# Altium PCB UmTRXv21.PcbDoc (part 4 of 19)
Units mm, origin at the board's own origin, x right, y up, seen from the top; angles counter-clockwise.
Board outline 159.5 x 99.5 mm, 6 copper layers (Top Layer, GND, MidLayer1, Mid-Layer 2, InternalPlane2, Bottom Layer), stack 1.526 mm thick; 716 components, 578 nets, 2850 pads, 1402 vias.
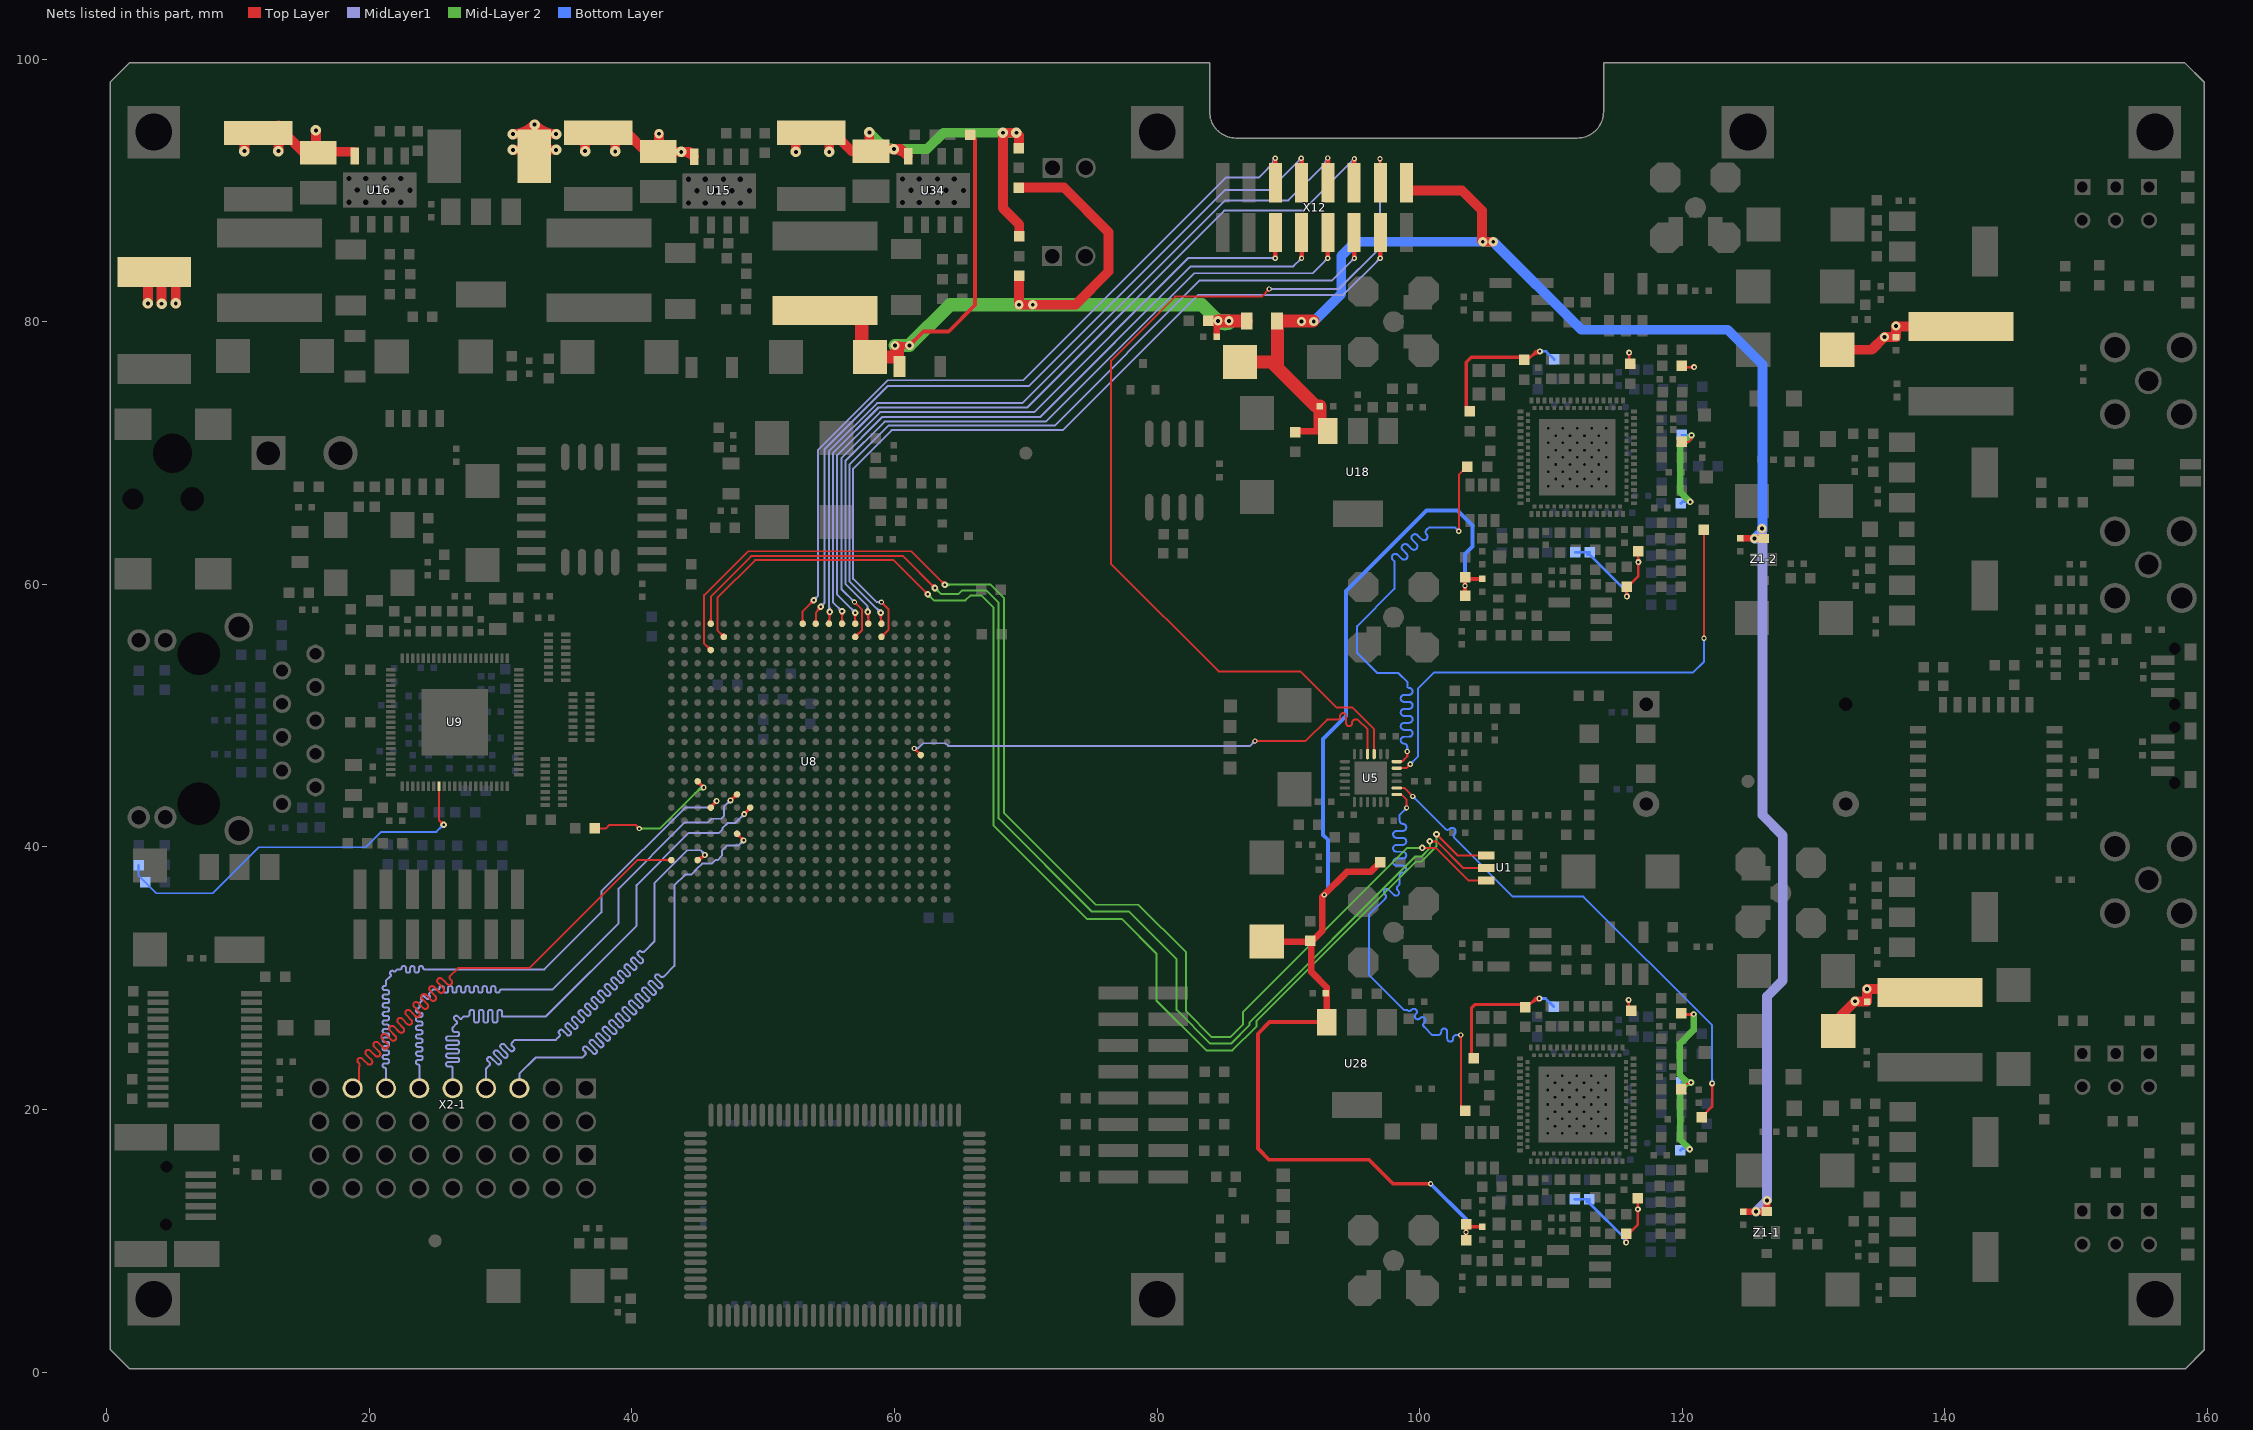
[diagram p8: the nets of this part, all layers, seen from the top]

## Via types
v1: diameter 0.45, hole 0.2, Top Layer to Bottom Layer, tented both sides, 440 vias
v2: diameter 0.5, hole 0.2, Top Layer to Bottom Layer, tented both sides, 423 vias
v3: diameter 0.7, hole 0.3, Top Layer to Bottom Layer, tented both sides, 257 vias
v4: diameter 0.4, hole 0.2, Top Layer to Bottom Layer, tented both sides, 197 vias
v5: diameter 0.8, hole 0.3, Top Layer to Bottom Layer, tented both sides, 63 vias
v6: diameter 0.6, hole 0.25, Top Layer to Bottom Layer, tented both sides, 16 vias
v7: diameter 0.6, hole 0.3, Top Layer to Bottom Layer, tented both sides, 4 vias
v8: diameter 1, hole 0.5, Top Layer to Bottom Layer, tented both sides, 2 vias

## Nets (pads, with @x,y where several pads share a name; then routed paths per layer and width w, separated by ;. In a path a pad name is that pad's centre, name@x,y a point inside that pad or via, vN(x,y) a via of type N, cw(c..) or ccw(c..) an arc to the next point about the centre after c; other vN are vias at no path point) (continued)
+3,3VLMS-1: C64-1.1 C69-1.1 L7-1.2 L12-1.1 L17-1.1 L21-1.2 L22-1.1 L23-1.2 L24-1.1 L25-1.2 L26-1.1 L27-1.2 L28-1.1 L29-1.2 R95-1.2 | length 56.1
  Top Layer w0.15: L26-1.1@119.907,21.588 119.937,21.558 120.337,21.958 ; v1@120.516,22.096 cw(c120.337,22.143) 120.337,21.958 ; v1@120.661,21.958 120.337,21.958
  Top Layer w0.2: L21-1.2@108.161,27.808 108.811,28.458 ; L21-1.2@108.386,28.033 cw(c109.111,27.307) v1@109.111,28.333 ; 108.727,28.374 cw(c109.111,27.99) v1@109.111,28.533 ; v1@109.022,28.37 ccw(c108.811,28.161) 108.811,28.458 ; v1@109.022,28.546 cw(c108.811,28.756) 108.811,28.458 ; v1(109.111,28.458) 108.811,28.458 ; L29-1.2@115.607,10.538 L29-1.2@115.737,10.538 ; v1@115.637,9.963 ccw(c115.395,10.205) L29-1.2@115.737,10.205 ; v1(115.725,9.875) 115.737,9.887 L29-1.2@115.737,10.538 ; L29-1.2@115.737,10.148 ccw(c115.998,10.148) v1@115.813,9.963 ; L29-1.2@115.737,10.542 L29-1.2@115.737,10.538 ; v1@115.823,28.27 cw(c115.619,28.066) 115.907,28.066 ; L25-1.2@115.907,27.488 115.907,28.354 v1(115.911,28.358) ; 115.907,28.047 cw(c116.223,28.047) v1@115.999,28.27 ; v1@116.523,12.32 cw(c116.319,12.116) 116.607,12.116 ; v1@116.523,12.497 ccw(c116.319,12.7) 116.607,12.7 ; 116.607,12.097 cw(c116.923,12.097) v1@116.699,12.32 ; 116.607,12.72 ccw(c116.923,12.72) v1@116.699,12.497 ; L22-1.1@116.607,13.238 v1@116.607,12.412 ; v1(116.611,12.408) v1@116.607,12.412 ; L28-1.1@119.907,27.238 120.841,27.238 v1(120.861,27.258) ; 120.511,27.238 ccw(c120.511,27.609) v1@120.773,27.347 ; 120.608,27.238 cw(c120.608,27.005) v1@120.773,27.17 ; L29-1.2@115.737,10.538 115.895,10.538 116.607,11.25 v1@116.607,12.412
  Top Layer w0.25: L17-1.1@104.225,23.9 103.95,24.175 103.95,27.75 104.2,28 107.825,28 L21-1.2@108.025,27.8 L21-1.2@108.125,27.8
  Top Layer w0.5: L7-1.2@137.475,29.625 L7-1.2@138.475,29.625
  Top Layer w0.75: C64-1.1@131.875,25.975 132.675,25.975 132.025,26.625 132.025,27.1 v3@133.15,28.225 ; v3@133.325,28.225 C69-1.1@134.075,28.225 v3(134.075,29.175) ; v3@134.25,29.175 L7-1.2@138.675,29.175 ; L7-1.2@140.375,29.175 L7-1.2@140.65,28.9
  Mid-Layer 2 w0.5: 120.167,21.878 cw(c120.661,21.384) v1@120.661,22.083 ; 120.254,22.202 ccw(c120.661,22.608) v1@120.661,22.033 ; v2(120.566,16.988) 119.85,17.704 119.85,21.562 120.346,22.058 v1(120.661,22.058) 120.636,22.083 120.373,22.083 119.8,22.656 119.8,25 120.861,26.061 v1(120.861,27.258)
  Bottom Layer w0.15: R95-1.2@119.907,22.088 v1@120.731,22.088 ; R95-1.2@120.227,22.088 cw(c120.227,21.624) v1@120.555,21.952 ; 120.371,22.088 ccw(c120.371,22.348) v1@120.555,22.164
  Bottom Layer w0.2: v1(109.111,28.458) 109.587,28.458 L23-1.2@110.207,27.838 ; v1@109.199,28.37 cw(c109.413,28.156) 109.413,28.458 cw(c109.413,28.76) v1@109.199,28.547 ; L12-1.1@111.811,13.158 L27-1.2@112.911,13.158 112.911,12.899 115.725,10.085 v1(115.725,9.875) ; L27-1.2@112.711,12.958 L27-1.2@112.802,13.049 ; 115.363,10.446 cw(c114.792,9.875) v1@115.6,9.875 ; 115.705,10.105 cw(c115.475,9.875) v1@115.8,9.875 ; L24-1.1@119.857,16.888 119.978,17.01 120.545,17.01 v2(120.566,16.988) ; L24-1.1@120.152,17.01 cw(c120.152,16.574) v2@120.46,16.882 ; L24-1.1@120.256,17.01 ccw(c120.256,17.298) v2@120.46,17.094
  other v3: 133.15,28.25
+3,3VLMS-2: C64-2.1 C69-2.1 L7-2.2 L12-2.1 L17-2.1 L21-2.2 L22-2.1 L23-2.2 L24-2.1 L25-2.2 L26-2.1 L27-2.2 L28-2.1 L29-2.2 R95-2.2 | length 49.4
  Top Layer w0.15: L26-2.1@119.946,70.88 119.976,70.85 120.5,70.85 120.7,71.05 ; v1@120.61,71.23 cw(c120.475,71.05) 120.7,71.05 ; v1@120.79,71.23 ccw(c120.925,71.05) 120.7,71.05 ; v1@120.8,71.35 120.7,71.25 120.7,71.05
  Top Layer w0.2: L21-2.2@108.2,77.1 108.85,77.75 ; 108.424,77.324 cw(c109.15,76.599) v1@109.15,77.625 ; 108.766,77.666 cw(c109.15,77.282) v1@109.15,77.825 ; v1@109.061,77.662 ccw(c108.85,77.453) 108.85,77.75 ; v1@109.061,77.838 cw(c108.85,78.047) 108.85,77.75 ; v1(109.15,77.75) 108.85,77.75 ; L29-2.2@115.646,59.83 L29-2.2@115.776,59.83 ; v1@115.687,59.163 ccw(c115.472,59.378) 115.776,59.378 ; v1(115.775,59.075) L29-2.2@115.776,59.83 ; 115.776,59.375 ccw(c116.075,59.375) v1@115.863,59.163 ; L29-2.2@115.776,59.834 L29-2.2@115.776,59.83 ; v1@115.862,77.562 cw(c115.658,77.358) 115.946,77.358 ; L25-2.2@115.946,76.78 115.946,77.646 v1(115.95,77.65) ; 115.946,77.338 cw(c116.262,77.338) v1@116.038,77.562 ; v1@116.562,61.612 cw(c116.358,61.408) 116.646,61.408 ; v1@116.562,61.788 ccw(c116.358,61.992) 116.646,61.992 ; 116.646,61.388 cw(c116.962,61.388) v1@116.738,61.612 ; 116.646,62.012 ccw(c116.962,62.012) v1@116.738,61.788 ; L22-2.1@116.646,62.53 v1@116.646,61.704 ; v1(116.65,61.7) v1@116.646,61.704 ; L28-2.1@119.946,76.53 120.88,76.53 v1(120.9,76.55) ; 120.55,76.53 ccw(c120.55,76.9) v1@120.812,76.638 ; 120.647,76.53 cw(c120.647,76.297) v1@120.812,76.462 ; L29-2.2@115.776,59.83 115.855,59.83 116.646,60.621 v1@116.646,61.704
  Top Layer w0.25: L17-2.1@103.825,73.175 103.55,73.45 103.55,76.925 103.925,77.3 107.775,77.3 L21-2.2@107.975,77.1
  Top Layer w0.5: L7-2.2@137.958,80.067 L7-2.2@138.693,80.067
  Top Layer w0.75: C64-2.1@131.8,77.875 134.425,77.875 v3(135.4,78.85) 136.25,78.85 C69-2.1@136.275,78.825 v3(136.275,79.675) 136.3,79.65 L7-2.2@141.225,79.65
  Mid-Layer 2 w0.5: v2(120.605,66.28) 119.85,67.035 119.85,70.5 v1(120.7,71.35)
  Bottom Layer w0.15: R95-2.2@119.946,71.38 120.77,71.38 v1@120.8,71.35 ; R95-2.2@120.266,71.38 cw(c120.266,70.916) v1@120.594,71.244 ; 120.41,71.38 ccw(c120.41,71.64) v1@120.594,71.456
  Bottom Layer w0.2: v1(109.15,77.75) 109.626,77.75 L23-2.2@110.246,77.13 ; v1@109.238,77.662 cw(c109.452,77.448) 109.452,77.75 cw(c109.452,78.052) v1@109.238,77.838 ; L12-2.1@111.85,62.45 L27-2.2@112.95,62.45 L27-2.2@112.841,62.341 ; L27-2.2@112.75,62.25 L27-2.2@112.841,62.341 ; v1@115.687,59.163 ccw(c115.473,59.377) 115.775,59.377 ccw(c116.077,59.377) v1@115.863,59.163 ; v1(115.775,59.075) 115.775,59.407 L27-2.2@112.841,62.341 ; L24-2.1@119.896,66.18 120.017,66.301 120.584,66.301 v2(120.605,66.28) ; L24-2.1@120.191,66.301 cw(c120.191,65.865) v2@120.499,66.174 ; L24-2.1@120.295,66.301 ccw(c120.295,66.59) v2@120.499,66.386
+5V: C6.1 C7.1 C67-1.2 C67-2.2 C100-1.2 C100-2.2 L1.2 L34-1.1 L34-2.1 R2.1 U28.3 | length 100
  Top Layer w0.3: U28.3@92.907,26.654 88.554,26.654 87.675,25.775 87.675,17.025 88.525,16.175 96.125,16.175 97.95,14.35 v4(100.825,14.35) ; L34-2.1@103.45,59.225 v4(103.45,59.888) C100-2.2@103.45,60.55 C100-2.2@103.65,60.35 ; L34-1.1@103.525,10.05 v4(103.525,10.65) 103.525,10.85 ; C100-1.2@103.525,11.275 103.525,10.85 ; v4@103.55,10.825 103.525,10.85 ; C100-2.2@103.65,60.425 C67-2.2@104.675,60.425 ; C100-1.2@103.825,11.075 C67-1.2@104.75,11.075 C67-1.2@104.825,11.075
  Top Layer w0.5: C6.1@88.325,32.775 L1.2@91.75,32.775 ; L1.2@91.7,32.825 L1.2@91.75,32.775 ; U28.3@92.907,26.654 92.907,29.318 91.75,30.475 L1.2@91.75,32.775 ; U28.3@93,26.575 93,26.747 U28.3@93.357,27.104 ; R2.1@97,38.85 96.25,38.1 94.45,38.1 92.575,36.225 92.575,33.6 L1.2@91.75,32.775
  Bottom Layer w0.3: v4(92.725,36.35) 93,36.625 93,40.55 92.625,40.925 92.625,48.225 94.375,49.975 94.375,59.5 100.5,65.625 102.875,65.625 104.025,64.475 104.025,62.875 103.45,62.3 v4(103.45,59.888) ; v4(100.825,14.35) 103.525,11.65 v4(103.525,10.65)
+6V: C44-1.1 C44-2.1 C125.1 C127.1 L44.2 R158.1 U18.3 X12.16 Z1-1.1 Z1-2.1 | length 142.4
  Top Layer w0.5: R158.1@90.475,71.65 U18.3@92.425,71.65 ; U18.3@92.425,71.625 U18.3@92.425,71.65 ; U18.3@92.975,71.65 U18.3@92.425,71.65 ; C44-2.1@124.425,63.525 Z1-2.1@126.2,63.526 ; C44-1.1@124.65,12.231 Z1-1.1@126.44,12.231 126.45,12.241 v3(126.45,13.075)
  Top Layer w0.75: X12.16@99,90 103.225,90 104.75,88.475 104.75,86.15 v3(104.8,86.1) v3(105.6,86.1)
  Top Layer w1: C125.1@86.3,76.95 88.7,76.95 92.075,73.575 C127.1@92.4,73.575 U18.3@92.4,71.9 ; 89.175,76.825 89.175,80.025 89.2,80.05 v3@91.875,80.05
  MidLayer1 w0.75: v3(125.5,63.5) 126.1,63.5 ; v3(125.6,12.225) v3(126.45,13.075) 126.45,28.625 127.65,29.825 127.65,40.875 126.1,42.425 126.1,63.5 ; v3(126.075,64.25) 126.075,63.525 126.1,63.5
  Bottom Layer w0.75: v3(91,80.025) v3(91.925,80.025) 94.025,82.125 94.025,85.025 95.1,86.1 v3(104.8,86.1) v3(105.6,86.1) 112.3,79.4 123.45,79.4 126.1,76.75 126.1,64.1 v3(125.5,63.5)
+6V1: C113.1 C131.1 C261.1 C269.1 L35.2 L44.1 R170.1 R172'.1 R172.1 | length 86.6
  Top Layer w0.3: v3(61.125,78.2) 62.2,79.275 64.125,79.275 66.125,81.275 66.125,93.875 R170.1@65.75,94.25 ; v3@61.125,78.4 ccw(c61.125,78.883) 61.466,78.541 ccw(c61.808,78.2) v3@61.325,78.2 ; C269.1@83.9,80.075 v3(84.625,80.075) ; v3@84.484,79.934 ccw(c84.142,79.592) 84.142,80.075 ccw(c84.142,80.558) v3@84.484,80.216
  Top Layer w0.5: v3@61.125,78.096 61.021,78.2 60.4,78.2 v3(61.125,78.2) ; C113.1@84.525,78.875 v3@84.525,79.925 ; 84.525,79.592 cw(c85.108,79.592) v3@84.696,80.004
  Top Layer w0.75: R172.1@69.475,83.5 v3(69.475,81.3) v3(70.525,81.3) 73.775,81.3 76.3,83.825 76.3,86.825 72.9,90.225 R172'.1@69.475,90.225
  Top Layer w1: L35.2@54.2,80.85 54.45,80.6 L35.2@56.9,80.6 ; C131.1@57.5,77.6 L35.2@57.5,80.6 ; C131.1@58.4,77.6 C131.1@58.125,77.325 60.225,77.325 v3@60.225,78.025 ; v3(84.625,80.075) v3(85.462,80.075) L44.1@86.8,80.075
  Mid-Layer 2 w1: v3(60.025,78.2) v3(61.125,78.2) 64.225,81.3 v3(70.525,81.3) 83.4,81.3 v3(84.625,80.075) ; 84.289,80.411 ccw(c85.462,81.585) v3@85.462,79.925 ; v3(85.462,80.075) v3(84.625,80.075) ; v3@85.534,79.943 cw(c85.168,80.618) v3(84.625,80.075)
+12V: C114.1 C115.1 C116.1 C117.1 C118.1 C119.1 D4.2 F1.2 R171'.1 R171.1 U15.8 U16.8 U34.8 | length 83.8
  Top Layer w0.75: v5(3.125,81.4) F1.2@3.125,84 ; F1.2@3.75,83.9 F1.2@3.825,83.975 ; v5(4.175,81.375) F1.2@4.175,83.875 ; v5(5.25,81.4) F1.2@5.25,83.9 ; v5(10.475,93) C116.1@10.475,94.275 ; C116.1@11.775,94.375 C116.1@13.075,94.375 ; v5(13.075,93) C116.1@13.075,94.375 ; C116.1@13.075,94.95 C116.1@13.075,94.375 ; C119.1@15.676,92.95 C119.1@16.024,92.95 ; v5(15.925,94.575) 15.925,93.049 C119.1@16.024,92.95 ; U16.8@18.825,92.95 C119.1@16.176,92.95 ; v5(30.925,93.1) D4.2@32.575,93.1 ; D4.2@32.554,92.6 32.575,92.621 D4.2@32.575,93.1 ; v5@32.556,95.041 cw(c30.925,96.465) v5(30.925,94.3) D4.2@32.575,94.3 ; v5(32.575,95.025) D4.2@32.575,94.3 ; v5@32.594,95.041 ccw(c34.225,96.465) v5(34.225,94.3) D4.2@32.575,94.3 ; v5(34.225,93.1) D4.2@32.575,93.1 ; v5(36.425,93) C115.1@36.425,94.375 ; C115.1@37.725,94.4 39.6,94.4 41.026,92.974 C118.1@42,92.974 ; v5(38.725,92.975) C115.1@38.725,93.8 ; v3(42.05,94.325) 42.05,93.024 C118.1@42,92.974 ; v5@43.753,92.925 cw(c43.892,91.727) U15.8@44.745,92.58 44.375,92.95 v5(43.75,92.95) 42.024,92.95 C118.1@42,92.974 ; v5(52.475,92.95) C114.1@52.475,94.1 ; C114.1@53.7,94.4 C114.1@55.025,94.4 ; v5(55.025,92.95) C114.1@55.025,94.4 ; C114.1@55.025,94.7 C114.1@55.025,94.4 ; v5(58.075,94.425) C117.1@58.075,92.999 ; v5@59.95,93.125 cw(c59.95,91.737) U34.8@60.932,92.718 ; U34.8@61.045,92.605 60.5,93.15 v5(59.95,93.15) 58.226,93.15 C117.1@58.075,92.999 ; R171'.1@69.475,93.225 69.475,94.2 v5(69.275,94.4) v5(68.25,94.4) 68.25,88.65 69.5,87.4 R171.1@69.5,86.5 ; C116.1@13.075,94.375 13.525,94.375 15.026,92.874 C119.1@16.1,92.874 ; C119.1@16.024,92.95 C119.1@16.1,92.874 ; C119.1@16.024,92.95 C119.1@16.176,92.95 ; C119.1@16.1,92.874 C119.1@16.176,92.95 ; D4.2@32.575,93.1 D4.2@32.575,94.3 ; C114.1@55.025,94.4 55.325,94.4 56.726,92.999 C117.1@58.075,92.999
  Mid-Layer 2 w0.75: v5(58.075,94.425) 59.35,93.15 v5(59.95,93.15) 62.475,93.15 63.725,94.4 v5(68.25,94.4) v5(69.275,94.4) ; 58.883,93.617 ccw(c59.95,94.684) v5@59.95,93.175
ACT_LED: R43.2 R46.1 U9.50 | length 31.1
  Top Layer w0.15: U9.50@25.3,44.625 25.3,42.05 v2(25.65,41.7) ; v2@25.475,41.7 ccw(c25.053,41.7) 25.351,41.999 ccw(c25.65,42.297) v2@25.65,41.875
  Bottom Layer w0.15: R43.2@2.425,38.625 2.425,37.825 R46.1@2.925,37.325 3.775,36.475 8.072,36.475 11.575,39.978 19.728,39.978 20.9,41.15 25.1,41.15 v2(25.65,41.7) ; v2@25.475,41.7 cw(c25.053,41.7) 25.351,41.401 cw(c25.65,41.103) v2@25.65,41.525
AUX_LD1: U8.AB6 X12.11 | length 62
  Top Layer w0.15: v2@58.826,57.726 cw(c58.528,57.428) 58.95,57.428 cw(c59.372,57.428) v2@59.074,57.726 ; U8.AB6@58.876,57.124 ccw(c58.698,57.302) 58.95,57.302 ; 58.95,57.543 ccw(c59.543,57.543) U8.AB6@59.124,57.124 ; v2(58.95,57.85) 58.95,57.05 U8.AB6@59,57
  Top Layer w0.35: X12.11@95,86.2 95,84.875 v4(95.025,84.85)
  MidLayer1 w0.15: v2@58.775,57.85 ccw(c58.353,57.85) 58.651,58.149 ccw(c58.95,58.447) v2@58.95,58.025 ; v2(58.95,57.85) 56.55,60.25 56.55,69.125 59.525,72.1 72.2,72.1 83.25,83.15 93.325,83.15 v4(95.025,84.85) ; v4@94.9,84.85 cw(c94.598,84.85) 94.812,84.637 cw(c95.025,84.423) v4@95.025,84.725
AUX_LD2: U8.AB9 X12.12 | length 67.2
  Top Layer w0.15: U8.AB9@55.876,57.124 ccw(c55.578,57.422) 56,57.422 ccw(c56.422,57.422) U8.AB9@56.124,57.124 ; v2@55.876,57.826 cw(c55.578,57.528) 56,57.528 cw(c56.422,57.528) v2@56.124,57.826 ; U8.AB9@56,57 v2(56,57.95)
  Top Layer w0.35: X12.12@95,90 X12.12@95,90.6 95,92.4 v4(95.025,92.425)
  MidLayer1 w0.15: v2@55.825,57.95 ccw(c55.403,57.95) 55.701,58.249 ccw(c56,58.547) v2@56,58.125 ; v2(56,57.95) 55.3,58.65 55.3,70 58.775,73.475 70.1,73.475 85.1,88.475 91.075,88.475 v4(95.025,92.425) ; v4@94.9,92.425 cw(c94.598,92.425) 94.812,92.212 cw(c95.025,91.998) v4@95.025,92.3
AUX_SCLK: U8.AB12 X12.6 | length 63.3
  Top Layer w0.15: U8.AB12@52.876,57.124 ccw(c52.578,57.422) 53,57.422 ccw(c53.422,57.422) U8.AB12@53.124,57.124 ; U8.AB12@53,57 53,57.95 v2(53.85,58.8) ; v2@53.675,58.8 cw(c53.253,58.8) 53.551,58.501 cw(c53.85,58.203) v2@53.85,58.625
  Top Layer w0.35: X12.6@89,90 X12.6@89,90.6 v4(89,92.45)
  MidLayer1 w0.15: v2(53.85,58.8) 54.175,59.125 54.175,70.25 59.475,75.55 69.8,75.55 85.225,90.975 87.725,90.975 89,92.25 v4(89,92.45) ; v2@53.85,58.975 ccw(c53.85,59.397) 54.149,59.099 ccw(c54.447,58.8) v2@54.025,58.8 ; 88.645,91.895 ccw(c88.09,92.45) v4@88.875,92.45 ; 88.901,92.151 ccw(c88.603,92.45) v4@89.025,92.45
AUX_SDAT: U8.AB8 X12.5 | length 56.8
  Top Layer w0.15: U8.AB8@56.876,57.124 ccw(c56.578,57.422) 57,57.422 ccw(c57.422,57.422) U8.AB8@57.124,57.124 ; v2@56.876,57.726 cw(c56.578,57.428) 57,57.428 cw(c57.422,57.428) v2@57.124,57.726 ; U8.AB8@57,57 v2(57,57.85)
  Top Layer w0.35: v4(89,84.85) X12.5@89,86.2
  MidLayer1 w0.15: v2@56.825,57.85 ccw(c56.403,57.85) 56.701,58.149 ccw(c57,58.447) v2@57,58.025 ; v2(57,57.85) 55.625,59.225 55.625,69.85 58.9,73.125 70.625,73.125 82.35,84.85 v4@88.95,84.85 ; v4@88.912,84.762 ccw(c88.698,84.548) 88.698,84.85 ccw(c88.698,85.152) v4@88.912,84.938
AUX_SEN1: U8.AA8 X12.7 | length 59.3
  Top Layer w0.15: v4@56.95,58.525 cw(c56.95,58.223) 57.163,58.437 cw(c57.377,58.65) v4@57.075,58.65 ; v4(56.95,58.65) 57.525,58.075 57.525,56.525 U8.AA8@57,56 ; U8.AA8@57,56.175 ccw(c57,56.597) 57.299,56.299 ccw(c57.597,56) U8.AA8@57.175,56
  Top Layer w0.35: v4(91,84.85) X12.7@91,86.2
  MidLayer1 w0.15: v4@56.825,58.65 ccw(c56.523,58.65) 56.737,58.863 ccw(c56.95,59.077) v4@56.95,58.775 ; v4(56.95,58.65) 55.95,59.65 55.95,69.625 59.075,72.75 71.1,72.75 82.575,84.225 90.375,84.225 v4(91,84.85) ; v4@90.875,84.85 cw(c90.573,84.85) 90.787,84.637 cw(c91,84.423) v4@91,84.725
AUX_SEN2: U8.AB11 X12.8 | length 63.8
  Top Layer w0.15: U8.AB11@53.876,57.124 ccw(c53.578,57.422) 54,57.422 ccw(c54.422,57.422) U8.AB11@54.124,57.124 ; U8.AB11@54,57.05 54,57.85 54.375,58.225 v2(54.375,58.3) ; 54.023,57.873 ccw(c53.596,58.3) v2@54.2,58.3 ; 54.204,58.054 cw(c54.375,57.884) v2@54.375,58.125
  Top Layer w0.35: v4(90.975,92.45) 91,92.425 X12.8@91,90.6 X12.8@91,90
  MidLayer1 w0.15: v2(54.375,58.3) 54.65,58.575 ; v2@54.386,58.475 ccw(c54.406,58.819) 54.65,58.575 ; v2@54.55,58.311 cw(c54.894,58.331) 54.65,58.575 ; v4@90.85,92.45 cw(c90.548,92.45) 90.762,92.237 cw(c90.975,92.023) v4@90.975,92.325 ; v4(90.975,92.45) 88.55,90.025 85.15,90.025 70.25,75.125 59.5,75.125 54.65,70.275 54.65,58.575
AUX_SEN3: U8.AB7 X12.9 | length 60.1
  Top Layer w0.15: v2@57.826,57.776 cw(c57.407,57.357) 58,57.357 ; U8.AB7@57.876,57.124 ccw(c57.578,57.422) 58,57.422 ccw(c58.422,57.422) U8.AB7@58.124,57.124 ; v2(57.95,57.9) 58,57.85 U8.AB7@58,57 ; 58,57.598 cw(c58.252,57.598) v2@58.074,57.776
  Top Layer w0.35: v4(93,84.85) X12.9@93,86.2
  MidLayer1 w0.15: v2@57.826,58.024 ccw(c57.528,58.322) 57.95,58.322 ccw(c58.372,58.322) v2@58.074,58.024 ; v2(57.95,57.9) 57.95,58.35 56.25,60.05 56.25,69.4 59.25,72.4 71.525,72.4 82.825,83.7 91.85,83.7 v4(93,84.85) ; v4@92.875,84.85 cw(c92.573,84.85) 92.787,84.637 cw(c93,84.423) v4@93,84.725
AUX_SEN4: U8.AB10 X12.10 | length 65.7
  Top Layer w0.15: U8.AB10@54.876,57.124 ccw(c54.457,57.543) 55.05,57.543 ; v2@54.926,57.776 cw(c54.628,57.478) 55.05,57.478 cw(c55.472,57.478) v2@55.174,57.776 ; U8.AB10@55,57 55.05,57.05 v2(55.05,57.9) ; 55.05,57.302 ccw(c55.302,57.302) U8.AB10@55.124,57.124
  Top Layer w0.35: X12.10@93,90 X12.10@93,90.6 93,92.25 93.025,92.275
  MidLayer1 w0.15: v2@54.926,58.024 ccw(c54.748,58.202) 55,58.202 ; v2@55,57.9 55,70.125 58.675,73.8 69.725,73.8 85.175,89.25 90,89.25 93.025,92.275 ; 55,58.443 ccw(c55.593,58.443) v2@55.174,58.024 ; 92.628,91.878 ccw(c92.03,92.475) v4@92.875,92.475 ; 92.884,92.134 ccw(c92.542,92.475) v4@93.025,92.475
  other v4: 93,92.475
AUX_XX: U8.AA6 X12.13 | length 64.6
  Top Layer w0.15: U8.AA6@59,56 59.525,56.525 59.525,58.125 v4(59,58.65) ; U8.AA6@59,56.175 ccw(c59,56.597) 59.299,56.299 ccw(c59.597,56) U8.AA6@59.175,56 ; v4@59,58.525 cw(c59,58.223) 59.213,58.437 cw(c59.427,58.65) v4@59.125,58.65
  Top Layer w0.35: v4(97,84.85) X12.13@97,86.2
  MidLayer1 w0.15: v4@58.912,58.562 ccw(c58.698,58.348) 58.698,58.65 ccw(c58.698,58.952) v4@58.912,58.738 ; v4(59,58.65) 58.625,58.65 56.85,60.425 56.85,68.825 59.775,71.75 72.825,71.75 83.1,82.025 94.15,82.025 96.975,84.85 v4(97,84.85) ; 96.744,84.619 cw(c97,84.363) v4@97,84.725 ; 96.804,84.679 ccw(c96.634,84.85) v4@96.875,84.85
CLK_AUX: U5.21 X12.14 | length 77.5
  Top Layer w0.15: v4@88.4,82.5 cw(c88.098,82.5) 88.312,82.287 cw(c88.525,82.073) v4@88.525,82.375 ; v4(88.525,82.5) 87.95,81.925 81.375,81.925 76.5,77.05 76.5,61.55 84.675,53.375 90.896,53.375 93.646,50.625 94.85,50.625 96.525,48.95 U5.21@96.525,47.075 ; v4@96.887,92.337 cw(c96.613,92.063) X12.14@97,92.063 ; v4(96.975,92.425) 97,92.4 X12.14@97,90.6 ; X12.14@97,89.625 X12.14@97,90 ; 97,92.184 cw(c97.216,92.184) v4@97.063,92.337
  MidLayer1 w0.15: v4(88.525,82.5) 93.825,82.5 96.975,85.65 v4(96.975,92.425) ; v4@88.613,82.412 cw(c88.827,82.198) 88.827,82.5 cw(c88.827,82.802) v4@88.613,82.588 ; v4@96.887,92.337 cw(c96.673,92.123) 96.975,92.123 cw(c97.277,92.123) v4@97.063,92.337
CLK_FPGA: U5.22 U8.M3 | length 42.4
  Top Layer w0.15: v4@61.5,47.375 cw(c61.5,47.073) 61.713,47.287 cw(c61.927,47.5) v4@61.625,47.5 ; v4(61.5,47.5) U8.M3@62,47 ; U8.M3@61.825,47 ccw(c61.403,47) 61.701,47.299 ccw(c62,47.597) U8.M3@62,47.175 ; v4(87.45,48.075) 91.316,48.075 92.941,49.7 93.775,49.7 ccw(c93.775,49.863) 93.938,49.863 93.938,49.973 cw(c94.165,49.973) 94.165,50.2 cw(c94.165,49.973) 94.393,49.973 94.393,49.427 ccw(c94.62,49.427) 94.62,49.2 ccw(c94.62,49.427) 94.848,49.427 94.848,49.473 cw(c95.075,49.473) 95.075,49.7 95.275,49.7 96.025,48.95 U5.22@96.025,47.075 ; v4@87.538,47.987 cw(c87.752,47.773) 87.752,48.075 cw(c87.752,48.377) v4@87.538,48.163
  MidLayer1 w0.15: v4(61.5,47.5) 61.775,47.5 ; v4@61.594,47.418 cw(c61.775,47.26) 61.775,47.5 ; v4@61.594,47.582 ccw(c61.775,47.74) 61.775,47.5 ; v4@87.325,48.075 cw(c87.023,48.075) 87.237,47.862 cw(c87.45,47.648) v4@87.45,47.95 ; v4(87.45,48.075) 87.075,47.7 64.075,47.7 63.875,47.9 62.175,47.9 61.775,47.5
CLK_PLL1: R177-1.1 U5.14 | length 41.4
  Top Layer w0.15: U5.14@98.25,44.5 98.825,44.5 v4(99.475,43.85) ; v4@99.35,43.85 ccw(c99.048,43.85) 99.262,44.063 ccw(c99.475,44.277) v4@99.475,43.975
  Top Layer w0.2: R177-1.1@121.461,19.408 122.275,20.222 v1(122.275,22) ; v1@122.187,21.912 cw(c121.973,21.698) 122.275,21.698 cw(c122.577,21.698) v1@122.363,21.912